# KiCad board first_keyboard.kicad_pcb (continued)
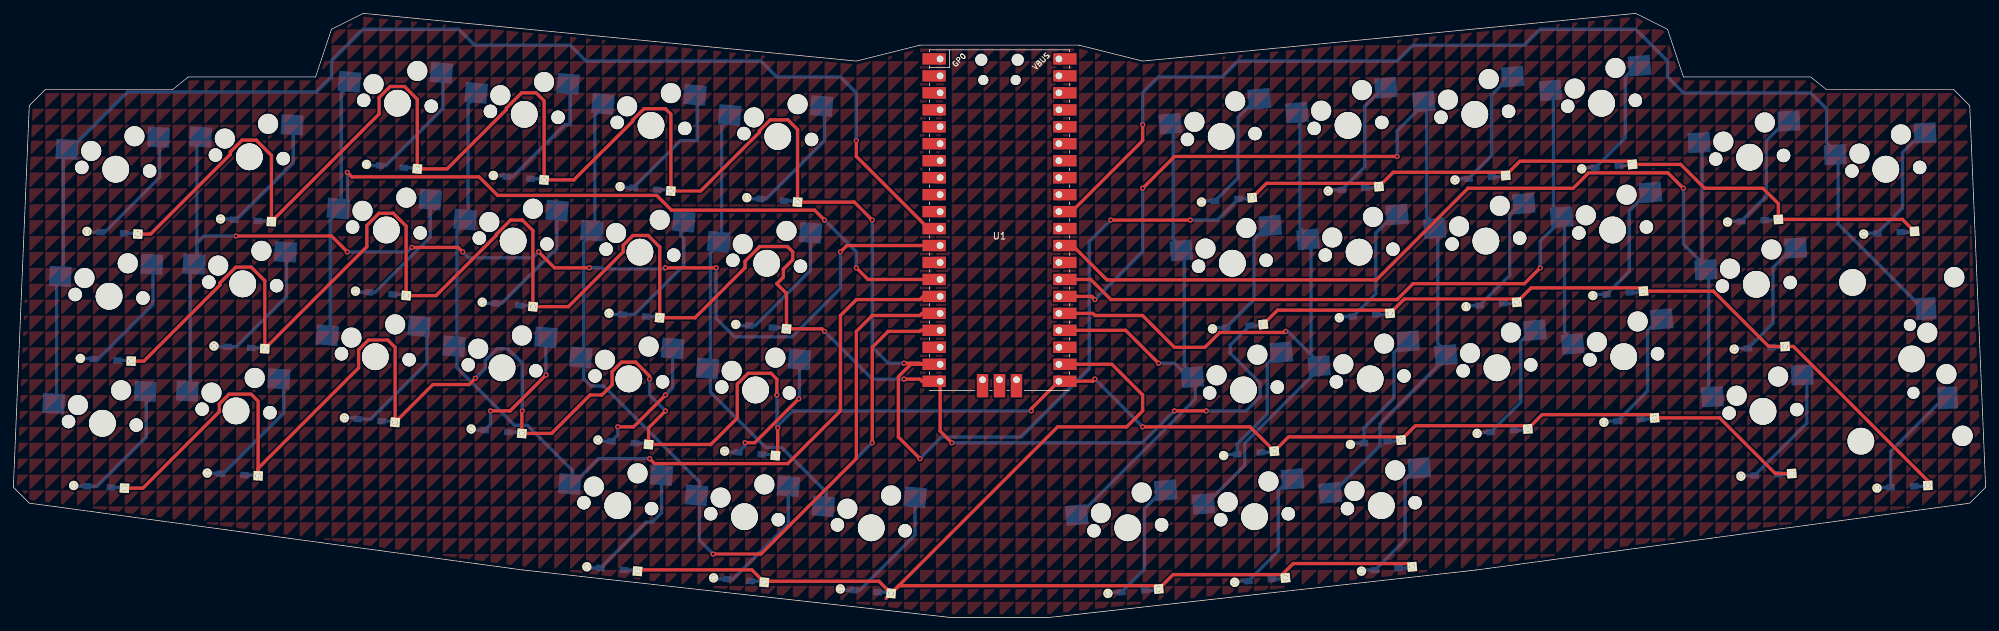
[diagram p0: board, top side]
## Copper pours and planes (outline as drawn; the poured copper is in the pictures) (continued)
(no net) on Top, Bottom: 200.02,33.34 200.02,30.96 202.41,33.34
(no net) on Top, Bottom: 140.49,52.39 140.49,50.01 142.88,52.39
(no net) on Top, Bottom: 192.88,40.48 192.88,38.1 195.26,40.48
(no net) on Top, Bottom: 90.49,61.91 90.49,59.53 92.87,61.91
(no net) on Top, Bottom: 16.67,-2.38 16.67,-4.76 19.05,-2.38
(no net) on Top, Bottom: 154.78,145.26 154.78,142.88 157.16,145.26
(no net) on Top, Bottom: 228.6,-9.53 228.6,-11.91 230.98,-9.53
(no net) on Top, Bottom: 104.77,66.68 104.77,64.29 107.16,66.68
(no net) on Top, Bottom: 19.05,121.44 19.05,119.06 21.43,121.44
(no net) on Top, Bottom: 121.44,-33.34 121.44,-35.72 123.83,-33.34
(no net) on Top, Bottom: 38.1,123.83 38.1,121.44 40.48,123.83
(no net) on Top, Bottom: 228.6,-4.76 228.6,-7.14 230.98,-4.76
(no net) on Top, Bottom: 173.83,104.78 173.83,102.39 176.21,104.78
(no net) on Top, Bottom: 114.3,-19.05 114.3,-21.43 116.68,-19.05
(no net) on Top, Bottom: 226.22,4.76 226.22,2.38 228.6,4.76
(no net) on Top, Bottom: 250.03,61.91 250.03,59.53 252.41,61.91
(no net) on Top, Bottom: 111.92,14.29 111.92,11.91 114.3,14.29
(no net) on Top, Bottom: 61.91,107.16 61.91,104.78 64.29,107.16
(no net) on Top, Bottom: 85.73,126.21 85.73,123.83 88.11,126.21
(no net) on Top, Bottom: 278.61,102.39 278.61,100.01 280.99,102.39
(no net) on Top, Bottom: 109.54,47.62 109.54,45.24 111.92,47.62
(no net) on Top, Bottom: 102.39,38.1 102.39,35.72 104.77,38.1
(no net) on Top, Bottom: 230.98,66.68 230.98,64.29 233.36,66.68
(no net) on Top, Bottom: 171.45,88.11 171.45,85.72 173.83,88.11
(no net) on Top, Bottom: 54.77,95.25 54.77,92.87 57.15,95.25
(no net) on Top, Bottom: 54.77,19.05 54.77,16.67 57.15,19.05
(no net) on Top, Bottom: 104.77,109.54 104.77,107.16 107.16,109.54
(no net) on Top, Bottom: 135.73,33.34 135.73,30.96 138.11,33.34
(no net) on Top, Bottom: 45.24,28.57 45.24,26.19 47.62,28.57
(no net) on Top, Bottom: 42.86,66.68 42.86,64.29 45.24,66.68
(no net) on Top, Bottom: 35.72,-7.14 35.72,-9.53 38.1,-7.14
(no net) on Top, Bottom: 164.31,26.19 164.31,23.81 166.69,26.19
(no net) on Top, Bottom: 30.96,-2.38 30.96,-4.76 33.34,-2.38
(no net) on Top, Bottom: 38.1,66.68 38.1,64.29 40.48,66.68
(no net) on Top, Bottom: 176.21,0 176.21,-2.38 178.59,0
(no net) on Top, Bottom: 221.46,23.81 221.46,21.43 223.84,23.81
(no net) on Top, Bottom: 238.12,138.11 238.12,135.73 240.51,138.11
(no net) on Top, Bottom: 233.36,-11.91 233.36,-14.29 235.74,-11.91
(no net) on Top, Bottom: 230.98,16.67 230.98,14.29 233.36,16.67
(no net) on Top, Bottom: 159.54,-21.43 159.54,-23.81 161.93,-21.43
(no net) on Top, Bottom: 57.15,138.11 57.15,135.73 59.53,138.11
(no net) on Top, Bottom: 207.17,95.25 207.17,92.87 209.55,95.25
(no net) on Top, Bottom: 130.97,126.21 130.97,123.83 133.35,126.21
(no net) on Top, Bottom: 171.45,85.72 171.45,83.34 173.83,85.72
(no net) on Top, Bottom: 38.1,-33.34 38.1,-35.72 40.48,-33.34
(no net) on Top, Bottom: 295.27,52.39 295.27,50.01 297.66,52.39
(no net) on Top, Bottom: 40.48,119.06 40.48,116.68 42.86,119.06
(no net) on Top, Bottom: 126.21,133.35 126.21,130.97 128.59,133.35
(no net) on Top, Bottom: 121.44,21.43 121.44,19.05 123.83,21.43
(no net) on Top, Bottom: 140.49,-23.81 140.49,-26.19 142.88,-23.81
(no net) on Top, Bottom: 33.34,23.81 33.34,21.43 35.72,23.81
(no net) on Top, Bottom: 119.06,111.92 119.06,109.54 121.44,111.92
(no net) on Top, Bottom: 266.7,130.97 266.7,128.59 269.08,130.97
(no net) on Top, Bottom: 73.82,50.01 73.82,47.62 76.2,50.01
(no net) on Top, Bottom: 114.3,2.38 114.3,0 116.68,2.38
(no net) on Top, Bottom: 64.29,76.2 64.29,73.82 66.67,76.2
(no net) on Top, Bottom: 133.35,7.14 133.35,4.76 135.73,7.14
(no net) on Top, Bottom: 185.74,128.59 185.74,126.21 188.12,128.59
(no net) on Top, Bottom: 202.41,121.44 202.41,119.06 204.79,121.44
(no net) on Top, Bottom: 145.26,23.81 145.26,21.43 147.64,23.81
(no net) on Top, Bottom: 171.45,140.49 171.45,138.11 173.83,140.49
(no net) on Top, Bottom: 133.35,42.86 133.35,40.48 135.73,42.86
(no net) on Top, Bottom: 123.83,104.78 123.83,102.39 126.21,104.78
(no net) on Top, Bottom: 245.27,42.86 245.27,40.48 247.65,42.86
(no net) on Top, Bottom: 302.42,28.57 302.42,26.19 304.8,28.57
(no net) on Top, Bottom: 185.74,64.29 185.74,61.91 188.12,64.29
(no net) on Top, Bottom: 190.5,26.19 190.5,23.81 192.88,26.19
(no net) on Top, Bottom: 85.73,80.96 85.73,78.58 88.11,80.96
(no net) on Top, Bottom: 97.63,9.53 97.63,7.14 100.01,9.53
(no net) on Top, Bottom: 126.21,-11.91 126.21,-14.29 128.59,-11.91
(no net) on Top, Bottom: 33.34,-19.05 33.34,-21.43 35.72,-19.05
(no net) on Top, Bottom: 40.48,21.43 40.48,19.05 42.86,21.43
(no net) on Top, Bottom: 54.77,9.53 54.77,7.14 57.15,9.53
(no net) on Top, Bottom: 261.94,116.68 261.94,114.3 264.32,116.68
(no net) on Top, Bottom: 123.83,142.88 123.83,140.49 126.21,142.88
(no net) on Top, Bottom: 207.17,88.11 207.17,85.72 209.55,88.11
(no net) on Top, Bottom: 278.61,26.19 278.61,23.81 280.99,26.19
(no net) on Top, Bottom: 145.26,11.91 145.26,9.53 147.64,11.91
(no net) on Top, Bottom: 266.7,30.96 266.7,28.57 269.08,30.96
(no net) on Top, Bottom: 109.54,-26.19 109.54,-28.57 111.92,-26.19
(no net) on Top, Bottom: 216.69,-7.14 216.69,-9.53 219.07,-7.14
(no net) on Top, Bottom: 119.06,45.24 119.06,42.86 121.44,45.24
(no net) on Top, Bottom: 9.53,33.34 9.53,30.96 11.91,33.34
(no net) on Top, Bottom: 57.15,19.05 57.15,16.67 59.53,19.05
(no net) on Top, Bottom: 140.49,126.21 140.49,123.83 142.88,126.21
(no net) on Top, Bottom: 192.88,59.53 192.88,57.15 195.26,59.53
(no net) on Top, Bottom: 140.49,90.49 140.49,88.11 142.88,90.49
(no net) on Top, Bottom: 71.44,133.35 71.44,130.97 73.82,133.35
(no net) on Top, Bottom: 197.64,66.68 197.64,64.29 200.02,66.68
(no net) on Top, Bottom: 300.04,78.58 300.04,76.2 302.42,78.58
(no net) on Top, Bottom: 64.29,83.34 64.29,80.96 66.67,83.34
(no net) on Top, Bottom: 90.49,123.83 90.49,121.44 92.87,123.83
(no net) on Top, Bottom: 78.58,109.54 78.58,107.16 80.96,109.54
(no net) on Top, Bottom: 38.1,-2.38 38.1,-4.76 40.48,-2.38
(no net) on Top, Bottom: 50.01,35.72 50.01,33.34 52.39,35.72
(no net) on Top, Bottom: 211.93,-21.43 211.93,-23.81 214.31,-21.43
(no net) on Top, Bottom: 140.49,138.11 140.49,135.73 142.88,138.11
(no net) on Top, Bottom: 288.13,26.19 288.13,23.81 290.51,26.19
(no net) on Top, Bottom: 200.02,-30.96 200.02,-33.34 202.41,-30.96
(no net) on Top, Bottom: 2.38,-26.19 2.38,-28.57 4.76,-26.19
(no net) on Top, Bottom: 250.03,95.25 250.03,92.87 252.41,95.25
(no net) on Top, Bottom: 76.2,147.64 76.2,145.26 78.58,147.64
(no net) on Top, Bottom: 88.11,78.58 88.11,76.2 90.49,78.58
(no net) on Top, Bottom: 21.43,80.96 21.43,78.58 23.81,80.96
(no net) on Top, Bottom: 42.86,33.34 42.86,30.96 45.24,33.34
(no net) on Top, Bottom: 197.64,119.06 197.64,116.68 200.02,119.06
(no net) on Top, Bottom: 123.83,28.57 123.83,26.19 126.21,28.57
(no net) on Top, Bottom: 71.44,97.63 71.44,95.25 73.82,97.63
(no net) on Top, Bottom: 278.61,19.05 278.61,16.67 280.99,19.05
(no net) on Top, Bottom: 302.42,138.11 302.42,135.73 304.8,138.11
(no net) on Top, Bottom: 109.54,95.25 109.54,92.87 111.92,95.25
(no net) on Top, Bottom: 273.84,-21.43 273.84,-23.81 276.22,-21.43
(no net) on Top, Bottom: 130.97,11.91 130.97,9.53 133.35,11.91
(no net) on Top, Bottom: 52.39,95.25 52.39,92.87 54.77,95.25
(no net) on Top, Bottom: 142.88,23.81 142.88,21.43 145.26,23.81
(no net) on Top, Bottom: 171.45,47.62 171.45,45.24 173.83,47.62
(no net) on Top, Bottom: 185.74,-11.91 185.74,-14.29 188.12,-11.91
(no net) on Top, Bottom: 40.48,19.05 40.48,16.67 42.86,19.05
(no net) on Top, Bottom: 285.75,138.11 285.75,135.73 288.13,138.11
(no net) on Top, Bottom: 78.58,42.86 78.58,40.48 80.96,42.86
(no net) on Top, Bottom: 192.88,-14.29 192.88,-16.67 195.26,-14.29
(no net) on Top, Bottom: 142.88,142.88 142.88,140.49 145.26,142.88
(no net) on Top, Bottom: 202.41,4.76 202.41,2.38 204.79,4.76
(no net) on Top, Bottom: 19.05,111.92 19.05,109.54 21.43,111.92
(no net) on Top, Bottom: 164.31,123.83 164.31,121.44 166.69,123.83
(no net) on Top, Bottom: 216.69,40.48 216.69,38.1 219.07,40.48
(no net) on Top, Bottom: 42.86,130.97 42.86,128.59 45.24,130.97
(no net) on Top, Bottom: 76.2,38.1 76.2,35.72 78.58,38.1
(no net) on Top, Bottom: 285.75,2.38 285.75,0 288.13,2.38
(no net) on Top, Bottom: 50.01,-4.76 50.01,-7.14 52.39,-4.76
(no net) on Top, Bottom: 26.19,104.78 26.19,102.39 28.58,104.78
(no net) on Top, Bottom: 69.06,73.82 69.06,71.44 71.44,73.82
(no net) on Top, Bottom: 92.87,-38.1 92.87,-40.48 95.25,-38.1
(no net) on Top, Bottom: 52.39,100.01 52.39,97.63 54.77,100.01
(no net) on Top, Bottom: 226.22,-2.38 226.22,-4.76 228.6,-2.38
(no net) on Top, Bottom: 250.03,0 250.03,-2.38 252.41,0
(no net) on Top, Bottom: 109.54,-23.81 109.54,-26.19 111.92,-23.81
(no net) on Top, Bottom: 185.74,-30.96 185.74,-33.34 188.12,-30.96
(no net) on Top, Bottom: 195.26,-11.91 195.26,-14.29 197.64,-11.91
(no net) on Top, Bottom: 135.73,80.96 135.73,78.58 138.11,80.96
(no net) on Top, Bottom: 66.67,30.96 66.67,28.57 69.06,30.96
(no net) on Top, Bottom: 247.65,19.05 247.65,16.67 250.03,19.05
(no net) on Top, Bottom: 73.82,9.53 73.82,7.14 76.2,9.53
(no net) on Top, Bottom: 228.6,119.06 228.6,116.68 230.98,119.06
(no net) on Top, Bottom: 276.22,138.11 276.22,135.73 278.61,138.11
(no net) on Top, Bottom: 7.14,-35.72 7.14,-38.1 9.53,-35.72
(no net) on Top, Bottom: 152.4,133.35 152.4,130.97 154.78,133.35
(no net) on Top, Bottom: 280.99,116.68 280.99,114.3 283.37,116.68
(no net) on Top, Bottom: 197.64,11.91 197.64,9.53 200.02,11.91
(no net) on Top, Bottom: 76.2,40.48 76.2,38.1 78.58,40.48
(no net) on Top, Bottom: 83.34,61.91 83.34,59.53 85.73,61.91
(no net) on Top, Bottom: 30.96,116.68 30.96,114.3 33.34,116.68
(no net) on Top, Bottom: 14.29,64.29 14.29,61.91 16.67,64.29
(no net) on Top, Bottom: 250.03,80.96 250.03,78.58 252.41,80.96
(no net) on Top, Bottom: 304.8,7.14 304.8,4.76 307.18,7.14
(no net) on Top, Bottom: 42.86,9.53 42.86,7.14 45.24,9.53
(no net) on Top, Bottom: 114.3,109.54 114.3,107.16 116.68,109.54
(no net) on Top, Bottom: 197.64,52.39 197.64,50.01 200.02,52.39
(no net) on Top, Bottom: 288.13,7.14 288.13,4.76 290.51,7.14
(no net) on Top, Bottom: 97.63,92.87 97.63,90.49 100.01,92.87
(no net) on Top, Bottom: 92.87,45.24 92.87,42.86 95.25,45.24
(no net) on Top, Bottom: 271.46,97.63 271.46,95.25 273.84,97.63
(no net) on Top, Bottom: 159.54,16.67 159.54,14.29 161.93,16.67
(no net) on Top, Bottom: 107.16,16.67 107.16,14.29 109.54,16.67
(no net) on Top, Bottom: 173.83,7.14 173.83,4.76 176.21,7.14
(no net) on Top, Bottom: 19.05,76.2 19.05,73.82 21.43,76.2
(no net) on Top, Bottom: 161.93,16.67 161.93,14.29 164.31,16.67
(no net) on Top, Bottom: 292.89,2.38 292.89,0 295.27,2.38
(no net) on Top, Bottom: 88.11,0 88.11,-2.38 90.49,0
(no net) on Top, Bottom: 0,7.14 0,4.76 2.38,7.14
(no net) on Top, Bottom: 171.45,-7.14 171.45,-9.53 173.83,-7.14
(no net) on Top, Bottom: 140.49,35.72 140.49,33.34 142.88,35.72
(no net) on Top, Bottom: 21.43,64.29 21.43,61.91 23.81,64.29
(no net) on Top, Bottom: 202.41,-35.72 202.41,-38.1 204.79,-35.72
(no net) on Top, Bottom: 21.43,0 21.43,-2.38 23.81,0
(no net) on Top, Bottom: 95.25,38.1 95.25,35.72 97.63,38.1
(no net) on Top, Bottom: 114.3,135.73 114.3,133.35 116.68,135.73
(no net) on Top, Bottom: 295.27,78.58 295.27,76.2 297.66,78.58
(no net) on Top, Bottom: 219.07,109.54 219.07,107.16 221.46,109.54
(no net) on Top, Bottom: 228.6,128.59 228.6,126.21 230.98,128.59
(no net) on Top, Bottom: 45.24,145.26 45.24,142.88 47.62,145.26
(no net) on Top, Bottom: 35.72,7.14 35.72,4.76 38.1,7.14
(no net) on Top, Bottom: 254.79,109.54 254.79,107.16 257.18,109.54
(no net) on Top, Bottom: 276.22,100.01 276.22,97.63 278.61,100.01
(no net) on Top, Bottom: 164.31,83.34 164.31,80.96 166.69,83.34
(no net) on Top, Bottom: 171.45,92.87 171.45,90.49 173.83,92.87
(no net) on Top, Bottom: 35.72,42.86 35.72,40.48 38.1,42.86
(no net) on Top, Bottom: 21.43,76.2 21.43,73.82 23.81,76.2
(no net) on Top, Bottom: 169.07,73.82 169.07,71.44 171.45,73.82
(no net) on Top, Bottom: 145.26,14.29 145.26,11.91 147.64,14.29
(no net) on Top, Bottom: 88.11,128.59 88.11,126.21 90.49,128.59
(no net) on Top, Bottom: 280.99,35.72 280.99,33.34 283.37,35.72
(no net) on Top, Bottom: 64.29,-30.96 64.29,-33.34 66.67,-30.96
(no net) on Top, Bottom: 195.26,92.87 195.26,90.49 197.64,92.87
(no net) on Top, Bottom: 259.56,30.96 259.56,28.57 261.94,30.96
(no net) on Top, Bottom: 302.42,140.49 302.42,138.11 304.8,140.49
(no net) on Top, Bottom: 114.3,28.57 114.3,26.19 116.68,28.57
(no net) on Top, Bottom: 238.12,80.96 238.12,78.58 240.51,80.96
(no net) on Top, Bottom: 157.16,45.24 157.16,42.86 159.54,45.24
(no net) on Top, Bottom: 176.21,30.96 176.21,28.57 178.59,30.96
(no net) on Top, Bottom: 176.21,128.59 176.21,126.21 178.59,128.59
(no net) on Top, Bottom: 57.15,-2.38 57.15,-4.76 59.53,-2.38
(no net) on Top, Bottom: 57.15,128.59 57.15,126.21 59.53,128.59
(no net) on Top, Bottom: 130.97,95.25 130.97,92.87 133.35,95.25
(no net) on Top, Bottom: 252.41,40.48 252.41,38.1 254.79,40.48
(no net) on Top, Bottom: 38.1,-30.96 38.1,-33.34 40.48,-30.96
(no net) on Top, Bottom: 142.88,52.39 142.88,50.01 145.26,52.39
(no net) on Top, Bottom: 130.97,33.34 130.97,30.96 133.35,33.34
(no net) on Top, Bottom: 238.12,66.68 238.12,64.29 240.51,66.68
(no net) on Top, Bottom: 85.73,73.82 85.73,71.44 88.11,73.82
(no net) on Top, Bottom: 33.34,50.01 33.34,47.62 35.72,50.01
(no net) on Top, Bottom: 47.62,47.62 47.62,45.24 50.01,47.62
(no net) on Top, Bottom: 183.36,104.78 183.36,102.39 185.74,104.78
(no net) on Top, Bottom: 76.2,57.15 76.2,54.77 78.58,57.15
(no net) on Top, Bottom: 280.99,150.02 280.99,147.64 283.37,150.02
(no net) on Top, Bottom: 100.01,4.76 100.01,2.38 102.39,4.76
(no net) on Top, Bottom: 257.18,95.25 257.18,92.87 259.56,95.25
(no net) on Top, Bottom: 21.43,2.38 21.43,0 23.81,2.38
(no net) on Top, Bottom: 235.74,145.26 235.74,142.88 238.12,145.26
(no net) on Top, Bottom: 157.16,78.58 157.16,76.2 159.54,78.58
(no net) on Top, Bottom: 78.58,133.35 78.58,130.97 80.96,133.35
(no net) on Top, Bottom: 211.93,109.54 211.93,107.16 214.31,109.54
(no net) on Top, Bottom: 202.41,54.77 202.41,52.39 204.79,54.77
(no net) on Top, Bottom: 302.42,-2.38 302.42,-4.76 304.8,-2.38
(no net) on Top, Bottom: 271.46,-16.67 271.46,-19.05 273.84,-16.67
(no net) on Top, Bottom: 90.49,142.88 90.49,140.49 92.87,142.88
(no net) on Top, Bottom: 128.59,142.88 128.59,140.49 130.97,142.88
(no net) on Top, Bottom: 171.45,4.76 171.45,2.38 173.83,4.76
(no net) on Top, Bottom: 207.17,35.72 207.17,33.34 209.55,35.72
(no net) on Top, Bottom: 178.59,69.06 178.59,66.68 180.98,69.06
(no net) on Top, Bottom: 295.27,138.11 295.27,135.73 297.66,138.11
(no net) on Top, Bottom: 192.88,-35.72 192.88,-38.1 195.26,-35.72
(no net) on Top, Bottom: 197.64,76.2 197.64,73.82 200.02,76.2
(no net) on Top, Bottom: 276.22,123.83 276.22,121.44 278.61,123.83
(no net) on Top, Bottom: 259.56,-16.67 259.56,-19.05 261.94,-16.67
(no net) on Top, Bottom: 109.54,147.64 109.54,145.26 111.92,147.64
(no net) on Top, Bottom: 278.61,-26.19 278.61,-28.57 280.99,-26.19
(no net) on Top, Bottom: 102.39,-30.96 102.39,-33.34 104.77,-30.96
(no net) on Top, Bottom: 211.93,100.01 211.93,97.63 214.31,100.01
(no net) on Top, Bottom: 207.17,47.62 207.17,45.24 209.55,47.62
(no net) on Top, Bottom: 95.25,-9.53 95.25,-11.91 97.63,-9.53
(no net) on Top, Bottom: 140.49,133.35 140.49,130.97 142.88,133.35
(no net) on Top, Bottom: 52.39,-16.67 52.39,-19.05 54.77,-16.67
(no net) on Top, Bottom: 221.46,50.01 221.46,47.62 223.84,50.01
(no net) on Top, Bottom: 4.76,42.86 4.76,40.48 7.14,42.86
(no net) on Top, Bottom: 283.37,119.06 283.37,116.68 285.75,119.06
(no net) on Top, Bottom: 271.46,92.87 271.46,90.49 273.84,92.87
(no net) on Top, Bottom: 57.15,38.1 57.15,35.72 59.53,38.1
(no net) on Top, Bottom: 85.73,140.49 85.73,138.11 88.11,140.49
(no net) on Top, Bottom: 150.02,-21.43 150.02,-23.81 152.4,-21.43
(no net) on Top, Bottom: 230.98,-16.67 230.98,-19.05 233.36,-16.67
(no net) on Top, Bottom: 259.56,-4.76 259.56,-7.14 261.94,-4.76
(no net) on Top, Bottom: 161.93,83.34 161.93,80.96 164.31,83.34
(no net) on Top, Bottom: 223.84,83.34 223.84,80.96 226.22,83.34
(no net) on Top, Bottom: 64.29,23.81 64.29,21.43 66.67,23.81
(no net) on Top, Bottom: 166.69,97.63 166.69,95.25 169.07,97.63
(no net) on Top, Bottom: 292.89,107.16 292.89,104.78 295.27,107.16
(no net) on Top, Bottom: 54.77,42.86 54.77,40.48 57.15,42.86
(no net) on Top, Bottom: 190.5,14.29 190.5,11.91 192.88,14.29
(no net) on Top, Bottom: 64.29,111.92 64.29,109.54 66.67,111.92
(no net) on Top, Bottom: 257.18,140.49 257.18,138.11 259.56,140.49
(no net) on Top, Bottom: 23.81,109.54 23.81,107.16 26.19,109.54
(no net) on Top, Bottom: 159.54,90.49 159.54,88.11 161.93,90.49
(no net) on Top, Bottom: 266.7,7.14 266.7,4.76 269.08,7.14
(no net) on Top, Bottom: 259.56,40.48 259.56,38.1 261.94,40.48
(no net) on Top, Bottom: 30.96,-4.76 30.96,-7.14 33.34,-4.76
(no net) on Top, Bottom: 180.98,64.29 180.98,61.91 183.36,64.29
(no net) on Top, Bottom: 128.59,126.21 128.59,123.83 130.97,126.21
(no net) on Top, Bottom: 216.69,142.88 216.69,140.49 219.07,142.88
(no net) on Top, Bottom: 211.93,-33.34 211.93,-35.72 214.31,-33.34
(no net) on Top, Bottom: 26.19,73.82 26.19,71.44 28.58,73.82
(no net) on Top, Bottom: 92.87,-11.91 92.87,-14.29 95.25,-11.91
(no net) on Top, Bottom: 90.49,50.01 90.49,47.62 92.87,50.01
(no net) on Top, Bottom: 116.68,9.53 116.68,7.14 119.06,9.53
(no net) on Top, Bottom: 95.25,30.96 95.25,28.57 97.63,30.96
(no net) on Top, Bottom: 61.91,114.3 61.91,111.92 64.29,114.3
(no net) on Top, Bottom: 130.97,140.49 130.97,138.11 133.35,140.49
(no net) on Top, Bottom: 40.48,114.3 40.48,111.92 42.86,114.3
(no net) on Top, Bottom: 240.51,109.54 240.51,107.16 242.89,109.54
(no net) on Top, Bottom: 195.26,9.53 195.26,7.14 197.64,9.53
(no net) on Top, Bottom: 92.87,-33.34 92.87,-35.72 95.25,-33.34
(no net) on Top, Bottom: 300.04,-38.1 300.04,-40.48 302.42,-38.1
(no net) on Top, Bottom: 238.12,102.39 238.12,100.01 240.51,102.39
(no net) on Top, Bottom: 288.13,14.29 288.13,11.91 290.51,14.29
(no net) on Top, Bottom: 54.77,97.63 54.77,95.25 57.15,97.63
(no net) on Top, Bottom: 50.01,40.48 50.01,38.1 52.39,40.48
(no net) on Top, Bottom: 19.05,-30.96 19.05,-33.34 21.43,-30.96
(no net) on Top, Bottom: 230.98,-30.96 230.98,-33.34 233.36,-30.96
(no net) on Top, Bottom: 152.4,4.76 152.4,2.38 154.78,4.76
(no net) on Top, Bottom: 257.18,123.83 257.18,121.44 259.56,123.83
(no net) on Top, Bottom: 183.36,135.73 183.36,133.35 185.74,135.73
(no net) on Top, Bottom: 235.74,138.11 235.74,135.73 238.12,138.11
(no net) on Top, Bottom: 50.01,33.34 50.01,30.96 52.39,33.34
(no net) on Top, Bottom: 150.02,38.1 150.02,35.72 152.4,38.1
(no net) on Top, Bottom: 278.61,61.91 278.61,59.53 280.99,61.91
(no net) on Top, Bottom: 254.79,100.01 254.79,97.63 257.18,100.01
(no net) on Top, Bottom: 233.36,42.86 233.36,40.48 235.74,42.86
(no net) on Top, Bottom: 28.58,33.34 28.58,30.96 30.96,33.34
(no net) on Top, Bottom: 38.1,121.44 38.1,119.06 40.48,121.44
(no net) on Top, Bottom: 90.49,11.91 90.49,9.53 92.87,11.91
(no net) on Top, Bottom: 102.39,95.25 102.39,92.87 104.77,95.25
(no net) on Top, Bottom: 230.98,9.53 230.98,7.14 233.36,9.53
(no net) on Top, Bottom: 304.8,-26.19 304.8,-28.57 307.18,-26.19
(no net) on Top, Bottom: 121.44,126.21 121.44,123.83 123.83,126.21
(no net) on Top, Bottom: 209.55,130.97 209.55,128.59 211.93,130.97
(no net) on Top, Bottom: 233.36,150.02 233.36,147.64 235.74,150.02
(no net) on Top, Bottom: 195.26,-14.29 195.26,-16.67 197.64,-14.29
(no net) on Top, Bottom: 140.49,54.77 140.49,52.39 142.88,54.77
(no net) on Top, Bottom: 11.91,66.68 11.91,64.29 14.29,66.68
(no net) on Top, Bottom: 302.42,52.39 302.42,50.01 304.8,52.39
(no net) on Top, Bottom: 157.16,-9.53 157.16,-11.91 159.54,-9.53
(no net) on Top, Bottom: 95.25,33.34 95.25,30.96 97.63,33.34
(no net) on Top, Bottom: 173.83,26.19 173.83,23.81 176.21,26.19
(no net) on Top, Bottom: 169.07,14.29 169.07,11.91 171.45,14.29
(no net) on Top, Bottom: 26.19,83.34 26.19,80.96 28.58,83.34
(no net) on Top, Bottom: 14.29,73.82 14.29,71.44 16.67,73.82
(no net) on Top, Bottom: 230.98,130.97 230.98,128.59 233.36,130.97
(no net) on Top, Bottom: 21.43,88.11 21.43,85.72 23.81,88.11
(no net) on Top, Bottom: 54.77,147.64 54.77,145.26 57.15,147.64
(no net) on Top, Bottom: 302.42,16.67 302.42,14.29 304.8,16.67
(no net) on Top, Bottom: 88.11,147.64 88.11,145.26 90.49,147.64
(no net) on Top, Bottom: 176.21,19.05 176.21,16.67 178.59,19.05
(no net) on Top, Bottom: 142.88,78.58 142.88,76.2 145.26,78.58
(no net) on Top, Bottom: 233.36,16.67 233.36,14.29 235.74,16.67
(no net) on Top, Bottom: 95.25,133.35 95.25,130.97 97.63,133.35
(no net) on Top, Bottom: 254.79,-14.29 254.79,-16.67 257.18,-14.29
(no net) on Top, Bottom: 116.68,-4.76 116.68,-7.14 119.06,-4.76
(no net) on Top, Bottom: 73.82,140.49 73.82,138.11 76.2,140.49
(no net) on Top, Bottom: 119.06,-21.43 119.06,-23.81 121.44,-21.43
(no net) on Top, Bottom: 209.55,4.76 209.55,2.38 211.93,4.76
(no net) on Top, Bottom: 4.76,73.82 4.76,71.44 7.14,73.82
(no net) on Top, Bottom: 228.6,126.21 228.6,123.83 230.98,126.21
(no net) on Top, Bottom: 169.07,38.1 169.07,35.72 171.45,38.1
(no net) on Top, Bottom: 273.84,-35.72 273.84,-38.1 276.22,-35.72
(no net) on Top, Bottom: 280.99,-35.72 280.99,-38.1 283.37,-35.72
(no net) on Top, Bottom: 21.43,85.72 21.43,83.34 23.81,85.72
(no net) on Top, Bottom: 4.76,107.16 4.76,104.78 7.14,107.16
(no net) on Top, Bottom: 197.64,50.01 197.64,47.62 200.02,50.01
(no net) on Top, Bottom: 192.88,140.49 192.88,138.11 195.26,140.49
(no net) on Top, Bottom: 80.96,-33.34 80.96,-35.72 83.34,-33.34
(no net) on Top, Bottom: 130.97,2.38 130.97,0 133.35,2.38
(no net) on Top, Bottom: 142.88,69.06 142.88,66.68 145.26,69.06
(no net) on Top, Bottom: 164.31,145.26 164.31,142.88 166.69,145.26
(no net) on Top, Bottom: 278.61,80.96 278.61,78.58 280.99,80.96
(no net) on Top, Bottom: 242.89,40.48 242.89,38.1 245.27,40.48
(no net) on Top, Bottom: 207.17,123.83 207.17,121.44 209.55,123.83
(no net) on Top, Bottom: 54.77,23.81 54.77,21.43 57.15,23.81
(no net) on Top, Bottom: 14.29,95.25 14.29,92.87 16.67,95.25
(no net) on Top, Bottom: 188.12,-30.96 188.12,-33.34 190.5,-30.96
(no net) on Top, Bottom: 200.02,42.86 200.02,40.48 202.41,42.86
(no net) on Top, Bottom: 290.51,80.96 290.51,78.58 292.89,80.96
(no net) on Top, Bottom: 183.36,114.3 183.36,111.92 185.74,114.3
(no net) on Top, Bottom: 47.62,109.54 47.62,107.16 50.01,109.54
(no net) on Top, Bottom: 35.72,4.76 35.72,2.38 38.1,4.76
(no net) on Top, Bottom: 200.02,100.01 200.02,97.63 202.41,100.01
(no net) on Top, Bottom: 271.46,-35.72 271.46,-38.1 273.84,-35.72
(no net) on Top, Bottom: 207.17,-23.81 207.17,-26.19 209.55,-23.81
(no net) on Top, Bottom: 164.31,59.53 164.31,57.15 166.69,59.53
(no net) on Top, Bottom: 33.34,-33.34 33.34,-35.72 35.72,-33.34
(no net) on Top, Bottom: 66.67,95.25 66.67,92.87 69.06,95.25
(no net) on Top, Bottom: 235.74,9.53 235.74,7.14 238.12,9.53
(no net) on Top, Bottom: 280.99,-16.67 280.99,-19.05 283.37,-16.67
(no net) on Top, Bottom: 150.02,-7.14 150.02,-9.53 152.4,-7.14
(no net) on Top, Bottom: 64.29,109.54 64.29,107.16 66.67,109.54
(no net) on Top, Bottom: 11.91,23.81 11.91,21.43 14.29,23.81
(no net) on Top, Bottom: 271.46,-9.53 271.46,-11.91 273.84,-9.53
(no net) on Top, Bottom: 276.22,97.63 276.22,95.25 278.61,97.63
(no net) on Top, Bottom: 216.69,88.11 216.69,85.72 219.07,88.11
(no net) on Top, Bottom: 154.78,107.16 154.78,104.78 157.16,107.16
(no net) on Top, Bottom: 19.05,69.06 19.05,66.68 21.43,69.06
(no net) on Top, Bottom: 240.51,92.87 240.51,90.49 242.89,92.87
(no net) on Top, Bottom: 61.91,0 61.91,-2.38 64.29,0
(no net) on Top, Bottom: 123.83,-14.29 123.83,-16.67 126.21,-14.29
(no net) on Top, Bottom: 300.04,-11.91 300.04,-14.29 302.42,-11.91
(no net) on Top, Bottom: 173.83,92.87 173.83,90.49 176.21,92.87
(no net) on Top, Bottom: 290.51,30.96 290.51,28.57 292.89,30.96
(no net) on Top, Bottom: 130.97,-4.76 130.97,-7.14 133.35,-4.76
(no net) on Top, Bottom: 9.53,-7.14 9.53,-9.53 11.91,-7.14
(no net) on Top, Bottom: 221.46,42.86 221.46,40.48 223.84,42.86
(no net) on Top, Bottom: 52.39,59.53 52.39,57.15 54.77,59.53
(no net) on Top, Bottom: 109.54,90.49 109.54,88.11 111.92,90.49
(no net) on Top, Bottom: 11.91,-35.72 11.91,-38.1 14.29,-35.72
(no net) on Top, Bottom: 4.76,28.57 4.76,26.19 7.14,28.57
(no net) on Top, Bottom: 45.24,50.01 45.24,47.62 47.62,50.01
(no net) on Top, Bottom: 133.35,121.44 133.35,119.06 135.73,121.44
(no net) on Top, Bottom: 223.84,28.57 223.84,26.19 226.22,28.57
(no net) on Top, Bottom: 135.73,95.25 135.73,92.87 138.11,95.25
(no net) on Top, Bottom: 102.39,128.59 102.39,126.21 104.77,128.59
(no net) on Top, Bottom: 7.14,59.53 7.14,57.15 9.53,59.53
(no net) on Top, Bottom: 173.83,114.3 173.83,111.92 176.21,114.3
(no net) on Top, Bottom: 202.41,69.06 202.41,66.68 204.79,69.06
(no net) on Top, Bottom: 183.36,-4.76 183.36,-7.14 185.74,-4.76
(no net) on Top, Bottom: 83.34,109.54 83.34,107.16 85.73,109.54
(no net) on Top, Bottom: 80.96,2.38 80.96,0 83.34,2.38
